# Altium PCB k210.PcbDoc (part 2 of 2)
Units mil, origin at the board's own origin, x right, y up, seen from the top; angles counter-clockwise.
Board outline 2559.06 x 1453.3 mil, 4 copper layers (TOP1, GND2, PWR3, Bottom 4), stack 23.756 mil thick; 94 components, 79 nets, 466 pads, 294 vias.
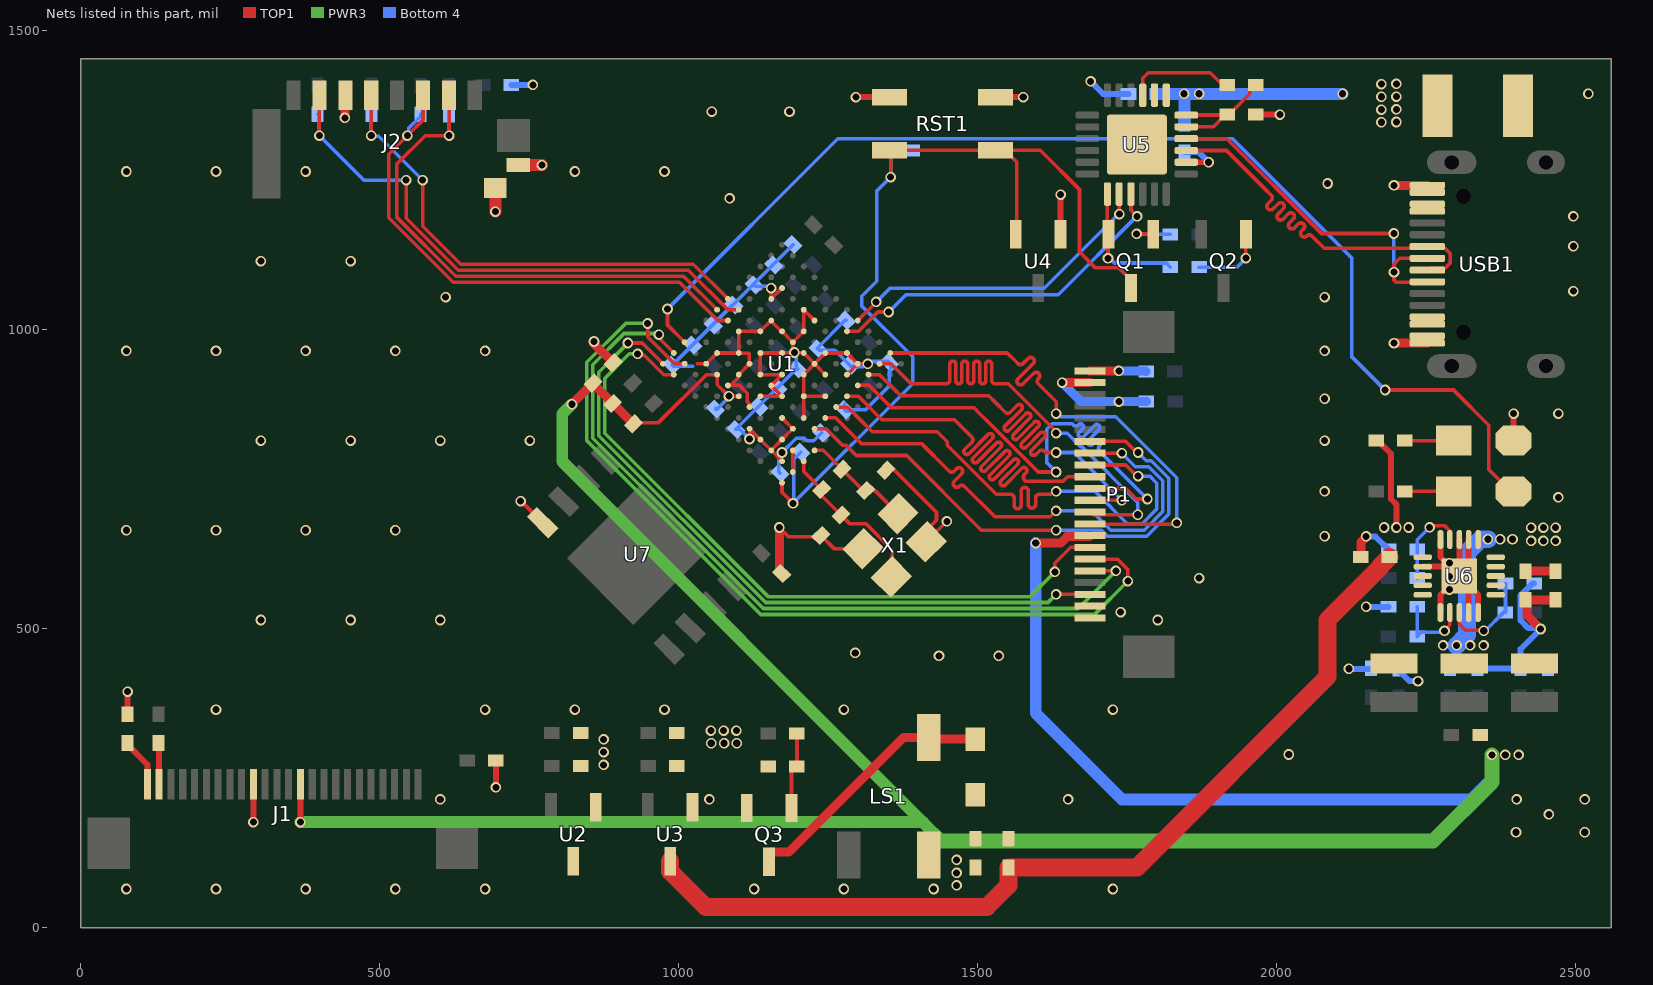
[diagram p4: the nets of this part, all layers, seen from the top]

## Via types
v1: diameter 17.72, hole 11.81, TOP1 to Bottom 4, tented both sides, 294 vias

## Nets (pads, with @x,y where several pads share a name; then routed paths per layer and width w, separated by ;. In a path a pad name is that pad's centre, name@x,y a point inside that pad or via, vN(x,y) a via of type N, cw(c..) or ccw(c..) an arc to the next point about the centre after c; other vN are vias at no path point) (continued)
GND: C1.1 C2.1 C3.1 C4.1 C5.2 C6.2 C7.1 C8.1 C9.2 C10.2 C11.2 C12.1 C13.2 C14.1 C15.1 C16.1 C17.1 C18.1 C19.2 C20.1 C21.1 C22.2 C23.2 C24.1 C25.1 C26.1 C27.2 C28.2 C29.1 C30.1 C31.2 C32.2 C33.2 C34.2 C35.2 C36.2 C37.2 C38.2 C39.2 C40.1 C41.2 C42.2 J1.10 J2.6 J2.9 J2.10 LED2.2 P1.2 P1.21 P1.22 Q3.2 R1.2 R8.1 R21.2 R24.1 R25.2 R27.2 RST1.1 U1.C3 U1.C4 U1.C6 U1.C9 U1.C10 U1.D5 U1.D7 U1.D8 U1.E3 U1.E4 U1.E5 U1.E6 U1.E8 U1.E10 U1.F5 U1.F7 U1.F8 U1.F9 U1.F10 U1.G3 U1.G4 U1.G5 U1.G6 U1.G8 U1.H2 U1.H5 U1.H7 U1.H8 U1.H9 U1.J2 U1.J4 U1.J6 U1.J8 U1.J10 U1.K2 U1.K3 U1.K4 U1.K5 U1.K7 U1.K9 U1.K10 U1.L2 U2.1 U3.1 U4.1 U5.2 U5.25 U6.1 U6.4 U6.5 U6.12 U6.13 U6.15 U6.17 U6.21 U7.4 USB1.A1 USB1.A12 USB1.B1 USB1.B12 X1.2 X1.4 | length 4913.6
  TOP1 w6: v1(735.25,713.86) 736.02,713.86 U7.4@772.13,677.75 ; 1030.94,943.39 U1.C3@1045.89,943.39 U1.C4@1063.99,961.48 U1.D5@1100.18,961.48 ; U1.E3@1082.08,907.2 1101.41,907.2 1114.45,894.16 1114.45,880.02 1117.54,876.93 1117.54,871.74 U1.G3@1118.27,871 ; 1087.44,907.93 1099.44,919.93 1099.44,924.56 U1.E4@1100.18,925.29 U1.E5@1118.27,943.39 1117.74,943.92 1117.74,960.32 1117.2,960.86 1100.8,960.86 U1.D5@1100.18,961.48 ; v1@1118.27,820 U1.H2@1118.27,834.81 U1.J2@1136.37,816.72 U1.K2@1154.46,798.62 ; U1.G4@1136.37,889.1 U1.H5@1172.56,889.1 U1.G5@1154.46,907.2 U1.G6@1172.56,925.29 U1.F5@1136.37,925.29 U1.E6@1136.37,961.48 U1.F7@1172.56,961.48 1172.97,961.89 v1@1192.74,961.89 ; v1(1154.46,1070) U1.C9@1154.46,1051.96 U1.C10@1172.56,1070.05 ; v1(1168.02,669.63) 1183.33,654.31 1235.26,654.31 C11.2@1237.38,656.44 1259.38,634.43 1276.1,634.43 1277.5,633.04 1306.66,633.04 X1.2@1308.05,634.43 ; U1.L2@1172.56,780.53 U1.K2@1154.46,798.62 ; U1.J4@1172.56,852.91 U1.K4@1190.65,834.81 U1.K3@1172.56,816.72 U1.K2@1154.46,798.62 ; v1@1190.65,964.79 U1.F8@1190.65,979.58 ; v1(1193.15,962.29) 1193.56,961.89 1208.34,961.89 U1.G8@1208.75,961.48 U1.H8@1226.84,943.39 ; U1.K5@1208.75,852.91 U1.J6@1208.75,889.1 ; U1.F10@1226.94,1015.86 U1.F10@1226.84,1015.77 U1.E10@1208.75,1033.86 U1.F9@1208.75,997.67 U1.F8@1190.65,979.58 ; U1.K7@1244.94,889.1 U1.J6@1208.75,889.1 ; U1.J8@1244.94,925.29 U1.H8@1226.84,943.39 ; U1.K9@1281.13,925.29 U1.K10@1299.23,943.39 ; v1(1315.94,943.39) U1.K10@1299.23,943.39 ; C13.2@1346.32,765.38 1348.44,767.5 1358.34,767.5 1360.78,765.07 1360.88,765.07 1430.94,695 1430.94,681.51 1413.84,664.41 X1.4@1413.84,645.57 v1(1448.27,680) ; U1.D5@1100.18,961.48 U1.C6@1100.18,997.67 U1.D7@1136.37,997.67 U1.D8@1154.46,1015.77 1154.46,1014.45 1171.25,997.67 U1.E8@1172.56,997.67 U1.F8@1190.65,979.58 ; U1.J6@1208.75,889.1 U1.H7@1208.75,925.29 U1.H8@1226.84,943.39 ; U1.H8@1226.84,943.39 U1.H9@1244.94,961.48 U1.J10@1281.13,961.48 U1.K10@1299.23,943.39
  TOP1 w10: R1.2@78.02,357.24 v1(78.02,395) ; v1(288.28,176.98) 288.28,239.85 J1.10@288.43,240 ; v1(694,235) R8.1@694,280 ; v1(1295.94,1389.29) RST1.1@1352.36,1389.29 ; RST1.1@1529.53,1389.29 v1(1575.94,1389.29) ; U4.1@1638.35,1180 v1(1638.35,1226.42) ; U5.2@1848.62,1280.47 v1(1885.94,1280.47) ; C6.2@1964.94,1360 v1(2005,1360) ; U6.17@2244.17,604.27 U6.21@2289.45,604.27 ; USB1.A1@2251.73,978.11 USB1.B12@2251.73,989.92 ; USB1.B1@2251.73,1230.08 USB1.A12@2251.73,1241.89 ; U6.1@2273.7,527.5 2273.7,557.03 U6.21@2305.2,588.52 ; U6.15@2273.7,649.55 2273.7,620.02 U6.21@2289.45,604.27 ; U6.13@2305.2,649.55 U6.21@2305.2,588.52 ; U6.4@2320.94,527.5 U6.21@2320.94,572.78 ; U6.12@2320.94,649.55 2320.94,604.27 U6.21@2305.2,588.52 ; U6.5@2336.69,527.5 2336.69,557.03 U6.21@2320.94,572.78 ; LED2.2@2395.94,815 v1(2395.94,860) ; U6.21@2289.45,604.27 U6.21@2305.2,588.52 ; U6.21@2305.2,588.52 U6.21@2320.94,572.78
  TOP1 w15: v1(441.44,1354.77) J2.6@441.44,1392.53 ; v1(858.07,980.75) 858.07,977.07 C5.2@890.17,944.97 ; v1(1168.02,669.63) 1168.02,596.72 C40.1@1171.98,592.75 ; v1(1640.94,912.01) P1.2@1687.64,912.01 ; C23.2@2137.49,620.57 C23.2@2140.49,620.57 2140.49,644.9 2149.53,653.94 v1(2149.53,654.67) ; v1(2195.94,978.11) USB1.A1@2251.73,978.11 ; v1(2195.94,1241.89) USB1.A12@2251.73,1241.89 ; v1(2441.28,499.89) 2418.44,522.72 2418.44,546 C22.2@2415.94,548.5 C19.2@2465.94,548.5
  TOP1 w20: v1(693.18,1197.87) J2.9@693.18,1237.24 ; J2.10@731.57,1275.63 v1(770.94,1275.63)
  Bottom 4 w6: 1023.58,939.19 990.79,939.19 C38.2@988.67,941.31 989.45,941.31 C14.1@1190.87,1142.73 ; v1(1118.08,817.58) 1101.93,833.73 C24.1@1095.41,833.73 C33.2@1197.49,935.81 ; C35.2@1126.16,1075.17 1128.28,1073.05 1148.24,1073.05 1151.29,1070 v1(1154.46,1070) ; 1167,786.27 1167,762.73 C27.2@1169.12,760.6 ; v1(1172.56,795) 1196.46,818.9 1209.97,818.9 1214.39,814.48 1225.34,814.48 C42.2@1238.78,827.91 ; v1@1196.5,955.77 1196.5,936.8 C33.2@1197.49,935.81 ; C33.2@1198.62,934.68 C33.2@1197.49,935.81 ; C37.2@1231.31,969.63 1277.74,1016.06 C15.1@1279.89,1016.06 ; C37.2@1232.92,968.03 1235.04,965.91 1260.98,965.91 C28.2@1285.88,941.02 1288,938.89 1308.28,938.89 ; C41.2@1277.52,876.52 C41.2@1277.52,866.62 1279.64,864.5 1289.54,864.5 1291.66,866.62 1312.24,866.62 1352.17,906.56 1352.17,931.03 1354.29,933.15 1354.29,943.05 C17.1@1352.17,945.17 1350.05,947.29 v1@1323.02,947.29
  Bottom 4 w10: C10.2@719.95,1410 v1(755.94,1410) ; v1(1688.71,1415.64) 1709.34,1395 C7.1@1751.94,1395 ; C8.1@1845.88,1297.27 1869.15,1297.27 v1(1885.94,1280.47) ; v1(2120.48,433.39) 2155.85,433.39 C29.1@2156.26,432.99 ; v1(2149.31,537.07) 2184.8,537.07 2185.05,536.82 2185.85,537.62 2186.62,536.85 R27.2@2186.83,537.07 ; v1(2149.53,654.67) 2164.77,654.67 R21.2@2186.94,632.5 ; C30.1@2203.86,433.85 2203.86,430.85 2221.99,412.72 v1(2236.19,412.72) ; C21.1@2289.91,434.02 2290,434.11 C25.1@2407.86,434.11 ; C25.1@2407.86,433.89 C25.1@2407.86,434.11 ; R25.2@2430.44,575.7 2427.44,575.7 2407.86,556.12 2407.86,514.13 2420.63,501.37 2439.8,501.37 v1(2441.28,499.89) 2407.86,466.47 C25.1@2407.86,434.11 ; C26.1@2453.68,434.21 2453.59,434.11 C25.1@2407.86,434.11
  Bottom 4 w15: v1(1640.94,912.01) 1672.95,880 v1(1735.94,880) C12.1@1781.94,880
  other v1: 75.94,65 225.94,65 375.94,65 525.94,65 675.94,65 1125.94,65 1275.94,65 1425.94,65 1725.94,65 1464.57,71.03 1464.57,92.15 1464.57,113.67 2400,160 2515,160 2455,190 600.94,215 1050.94,215 1650.94,215 2400.94,215 2515,215 874.28,272.78 2020,290 874.28,293.9 1054.14,308.79 1075.66,308.79 1096.78,308.79 874.28,315.42 1053.48,330 1075,330 1096.12,330 225.94,365 675.94,365 825.94,365 975.94,365 1275.94,365 1725.94,365 1435,455 1535,455 1295,460 300.94,515 450.94,515 600.94,515 1800.94,515 1738.7,528.01 2288.49,565.71 1870,585 2288.49,587.84 2288.49,609.96 2080,655 75.94,665 225.94,665 375.94,665 525.94,665 2470.94,720 2080,730 300.94,815 450.94,815 600.94,815 750.94,815 2080,815 2470.94,860 2080,885 75.94,965 225.94,965 375.94,965 525.94,965 675.94,965 2080,965 610,1055 2080,1055 2495.94,1065 300.94,1115 450.94,1115 2495.94,1140 2495.94,1190 1085,1220 2085,1245 75.94,1265 225.94,1265 375.94,1265 825.94,1265 975.94,1265 1055,1365 1185,1365 2520.94,1395
ISP_RX: U1.H11 U5.21 | length 606.5
  TOP1 w6: U1.H11@1281.13,997.67 1300.39,997.67 1332.72,1030 v1(1350.94,1030) ; U5.21@1756.1,1227.32 1756.1,1200.1 v1(1766.36,1189.85)
  Bottom 4 w6: v1(1350.94,1030) 1379.83,1058.88 1634.51,1058.88 1765.48,1189.85 v1(1766.36,1189.85)
ISP_TX: U1.H12 U5.20 | length 544.1
  TOP1 w6: U1.H12@1299.23,1015.77 1329.94,1046.49 v1(1329.94,1046.86) ; v1@1736.42,1195 U5.20@1736.42,1227.32
  Bottom 4 w6: v1(1329.94,1046.86) 1353.09,1070 1611.07,1070 v1@1736.42,1195.35
  other v1: 1736.59,1193.81
LCD_CS: P1.18 U1.A2 | length 1359.1
  TOP1 w6: v1(966.59,992.05) 966.59,987.15 991.61,962.13 U1.A2@991.61,961.48 ; P1.18@1687.64,597.05 v1(1730.94,597.05)
  PWR3 w6: v1(966.59,992.05) 964.6,994.03 908.23,994.03 855.94,941.75 855.94,819.14 1140.95,534.14 1668.04,534.14 v1(1730.94,597.05)
LCD_DC: P1.17 U1.B2 | length 1501.3
  TOP1 w6: v1(947.87,1010.88) 947.87,988.34 992.82,943.39 U1.B2@1009.7,943.39 ; P1.17@1687.64,616.73 1733.69,616.73 1750.94,599.47 v1(1750.94,580)
  PWR3 w6: v1(947.87,1010.88) 910.94,1010.88 845.94,945.89 845.94,815 1136.8,524.14 1695.09,524.14 v1(1750.94,580)
LCD_RST: P1.20 U1.A1 | length 1191.2
  TOP1 w6: v1(914.8,978.17) 938.72,978.17 U1.A1@973.51,943.39 ; v1(1630.94,557.68) P1.20@1687.64,557.68
  PWR3 w6: v1(914.8,978.17) 865.94,929.32 865.94,823.28 1145.09,544.14 1617.41,544.14 v1(1630.94,557.68)
LCD_WR: P1.16 U1.B1 | length 1206
  TOP1 w6: v1(930.94,960) 933.03,957.92 942.12,957.92 974.75,925.29 U1.B1@991.61,925.29 ; v1(1628.79,595.31) 1628.79,609.99 1655.22,636.42 P1.16@1687.64,636.42
  PWR3 w6: v1(930.94,960) 917.19,960 875.94,918.75 875.94,827.43 1149.23,554.14 1587.62,554.14 v1(1628.79,595.31)
LED0: LED1.2 U1.A3 | length 1985
  TOP1 w6: v1(980.94,1035) 980.94,1008.33 U1.A3@1009.7,979.58 ; v1(2181.07,899.54) 2295.46,899.54 2354.27,840.73 2354.27,766.68 2390.94,730 LED1.2@2395.94,730
  Bottom 4 w6: v1(980.94,1035) 1265.94,1320 1925.94,1320 2125,1120.94 2125,955.61 v1(2181.07,899.54)
NetC6_1: C6.1 R5.2 U5.5 U5.6 | length 213.7
  TOP1 w6: U5.5@1848.62,1339.53 1893.47,1339.53 C6.1@1913.94,1360 ; U5.6@1848.62,1359.53 1911.47,1359.53 1911.94,1360 C6.1@1913.94,1360 ; C6.1@1914.94,1360 C6.1@1913.94,1360 ; C6.1@1916.94,1360 1919.94,1360 1954.94,1395 1954.94,1403 1961.94,1410 R5.2@1964.94,1410
NetC11_1: C11.1 R13.2 U1.M3 X1.3 | length 271.2
  TOP1 w6: U1.M3@1208.75,780.53 1208.75,763.25 R13.2@1238.97,733.03 1238.77,732.83 1238.77,722.93 C11.1@1271.32,690.38 1285.47,676.23 1312.34,676.23 1356.77,631.8 1356.77,588.5 X1.3@1355.38,587.11
NetC13_1: C13.1 R13.1 U1.M4 X1.1 | length 185.2
  TOP1 w6: U1.M4@1226.84,798.62 1241.26,798.62 R13.1@1272.92,766.97 1308.45,731.44 C13.1@1312.38,731.44 1314.5,733.56 1324.4,733.56 1326.52,731.44 1327.97,731.44 X1.1@1366.51,692.89
NetC18_2: C18.2 D1.2 LS1.1 R19.2
NetD1_1: D1.1 LS1.2 Q3.3 | length 440.3
  TOP1 w15: Q3.3@1150.94,110.59 1150.94,124.37 1153.29,126.71 1183.64,126.71 1375.34,318.42 LS1.2@1417.87,318.42 1420.7,315.59 D1.1@1495.94,315.59
NetJ1_23: J1.2 R2.1 | length 69.7
  TOP1 w6: R2.1@129.83,309.24 R2.1@130.94,308.12
  TOP1 w10: J1.2@130.94,240 R2.1@130.94,308.12
NetJ1_24: J1.1 R1.1 | length 83
  TOP1 w10: R1.1@78.02,309.24 78.02,306.24 111.26,273 J1.1@111.26,240
NetL1_1: L1.1 U6.11 | length 206.5
  Bottom 4 w30: v1(2300.85,472.5) 2318.19,489.84 2318.19,627.62 2340.58,650.02 v1(2353.12,650.02)
  other v1: 2278.3,472.5 2323.4,472.5 2345.94,472.5 2373.63,650.02 2394.13,650.02
NetL2_1: L2.1 U6.6
NetL3_1: L3.1 U6.20
NetLED1_1: LED1.1 R3.2 | length 82
  TOP1 w6: R3.2@2213.94,730 LED1.1@2295.94,730
NetLED2_1: LED2.1 R9.2 | length 82
  TOP1 w6: R9.2@2213.94,815 LED2.1@2295.94,815
NetP1_1: P1.1 R18.2 | length 94.4
  TOP1 w15: P1.1@1687.64,931.69 v1(1735.94,931.69)
  Bottom 4 w15: v1(1735.94,931.69) 1736.46,931.17 1780.85,931.17 R18.2@1781.57,930.45
NetQ1_1: Q1.1 R11.2 | length 84.1
  TOP1 w6: v1(1765.6,1160.82) 1792.53,1160.82 Q1.1@1793.35,1160
  Bottom 4 w6: v1@1765.94,1160 R11.2@1821.94,1160
NetQ2_1: Q2.1 R12.2 | length 124.6
  TOP1 w6: v1(1948.35,1120) Q2.1@1948.35,1160
  Bottom 4 w6: R12.2@1869.94,1105 1933.35,1105 v1(1948.35,1120)
NetQ3_1: Q3.1 R22.2 R24.2 | length 129.5
  TOP1 w6: Q3.1@1188.35,200.59 1188.35,263 1195.35,270 R24.2@1197.54,270 R22.2@1197.54,325
NetR5_1: R5.1 U5.9 | length 176.4
  TOP1 w6: U5.9@1775.79,1392.68 1775.79,1420.79 1785,1430 1888.94,1430 1908.94,1410 R5.1@1911.94,1410
NetR20_1: R20.1 R21.1 U6.14 | length 146.2
  TOP1 w6: v1(2255.59,669.92) 2258.76,669.92 2261.13,672.3 2281.15,672.3 2288.33,665.12 2288.33,650.67 U6.14@2289.45,649.55
  Bottom 4 w6: R20.1@2234.85,585.05 2234.85,632.4 R21.1@2234.94,632.5 2234.94,649.28 v1(2255.59,669.92)
NetR23_1: R23.1 R25.1 U6.3 | length 158.6
  TOP1 w6: U6.3@2305.2,527.5 2305.2,508.25 2315.95,497.5 2345.5,497.5 v1(2346.04,496.96)
  Bottom 4 w6: v1(2346.04,496.96) 2348.68,496.96 R23.1@2379.22,527.5 ; R23.1@2382.44,527.72 R25.1@2382.44,575.7
NetR26_1: R26.1 R27.1 U6.2 | length 134.2
  TOP1 w6: v1(2280.47,496.84) 2280.47,497.02 2289.45,506 U6.2@2289.45,527.5
  Bottom 4 w6: R27.1@2234.83,537.07 2234.58,536.81 R26.1@2234.58,487.21 2241.58,494.21 2274.67,494.21 2277.3,496.84 v1(2280.47,496.84)
NetU1_L3: U1.L3 U1.M2 | length 36.2
  TOP1 w6: U1.M2@1190.65,762.43 U1.L3@1190.65,798.62
RESETN: C9.1 Q1.3 R10.1 RST1.2 U1.M1 U4.2 | length 1624.8
  TOP1 w6: U1.M1@1172.56,744.34 1172.56,728.39 v1(1190.94,710) ; v1(1354.09,1255.57) 1354.09,1298.98 RST1.2@1352.36,1300.71 RST1.2@1529.53,1300.71 RST1.2@1545.28,1300.71 ; U4.2@1563.54,1160 1565,1161.46 1565,1280.98 RST1.2@1545.28,1300.71 ; Q1.3@1755.94,1070 1755.94,1083.78 1735.97,1103.76 1696.86,1103.76 1670,1130.62 1670,1235 1604.29,1300.71 RST1.2@1545.28,1300.71
  Bottom 4 w6: v1(1190.94,710) v1@1192.38,711.43 ; R10.1@1204.04,795.64 1192.38,783.98 v1@1192.38,711.43 ; C9.1@1343.89,1298.06 1354.09,1287.85 v1(1354.09,1255.57) 1330.94,1232.42 1330.94,1081.41 1306.09,1056.55 1306.09,1040.14 1390.93,955.31 1390.93,909.98 v1@1192.38,711.43
RTS: Q1.2 R12.1 U5.19 | length 218.4
  TOP1 w6: U5.19@1716.73,1227.32 1716.73,1160.07 1717.67,1159.13 v1(1717.67,1119.62)
  Bottom 4 w6: v1(1717.67,1119.62) 1720.84,1119.62 1728.46,1112 1814.94,1112 R12.1@1821.94,1105
SPI0_D0: P1.14 U1.L12 | length 900.3
  TOP1 w6: U1.L12@1353.51,961.48 1549.46,961.48 1565.04,945.91 1567.16,943.78 ccw(c1571.4,948.03) 1575.65,943.78 1584.13,952.27 cw(c1588.37,948.03) 1592.62,952.27 cw(c1588.37,948.03) 1592.62,943.78 1567.16,918.33 ccw(c1571.4,914.09) 1567.16,909.84 ccw(c1571.4,914.09) 1575.65,909.84 1593.26,927.46 cw(c1597.5,923.22) 1601.75,918.97 1601.1,918.33 ccw(c1605.34,914.09) 1601.1,909.84 1630.94,880 v1(1630.94,860) ; P1.14@1687.64,675.79 1688.28,675.15 1830.57,675.15 v1(1832.7,677.28)
  Bottom 4 w6: v1(1630.94,860) 1634.12,860 1639.12,855 1730.49,855 1832.7,752.79 v1(1832.7,677.28)
SPI0_D1: P1.13 U1.L11 | length 900.2
  TOP1 w6: U1.L11@1335.42,943.39 1354.75,943.39 1388.13,910 1424.19,910 1447.19,910 ccw(c1447.19,916) 1453.19,916 1453.19,943 cw(c1458.19,943) 1463.19,943 1463.19,915 ccw(c1468.19,915) 1473.19,915 1473.19,943 cw(c1478.19,943) 1483.19,943 1483.19,915 ccw(c1488.19,915) 1493.19,915 1493.19,943 cw(c1498.19,943) 1503.19,943 1503.19,915 ccw(c1508.19,915) 1513.19,915 1513.19,943 cw(c1518.19,943) 1523.19,943 1523.19,916 ccw(c1529.19,916) 1529.19,910 1549.69,910 1550.94,910 1630.94,830 v1(1630.94,827.5) ; P1.13@1687.64,695.47 1692.1,691.01 v1(1767.43,691.01)
  Bottom 4 w6: v1(1630.94,827.5) 1649.3,827.5 1671.8,805 1673.53,805 1767.43,711.1 v1(1767.43,691.01)
SPI0_D2: P1.12 U1.L10 | length 899.4
  TOP1 w6: U1.L10@1317.32,925.29 1335.65,925.29 1359.81,901.14 1370.94,890 1518.37,890 1529.66,878.71 1545.92,862.45 ccw(c1550.16,866.69) 1554.41,862.45 1565.84,873.89 cw(c1569.38,870.35) 1572.92,873.89 cw(c1569.38,870.35) 1572.92,866.82 1545.42,839.32 ccw(c1548.95,835.78) 1545.42,832.24 ccw(c1548.95,835.78) 1552.49,832.24 1579.99,859.74 cw(c1583.52,856.21) 1587.06,852.67 1559.56,825.17 ccw(c1563.09,821.64) 1559.56,818.1 ccw(c1563.09,821.64) 1566.63,818.1 1594.13,845.6 cw(c1597.66,842.07) 1601.2,845.6 cw(c1597.66,842.07) 1601.2,838.53 1573.7,811.03 ccw(c1577.24,807.5) 1580.77,803.96 1604.48,827.67 cw(c1608.02,824.13) 1611.55,827.67 cw(c1608.02,824.13) 1611.55,820.6 1589.79,798.84 ccw(c1593.33,795.3) 1589.79,791.77 ccw(c1593.33,795.3) 1596.86,791.77 1602.49,797.4 cw(c1606.73,793.15) 1610.98,797.4 1613.37,795 v1(1630.94,795) ; P1.12@1687.64,715.16 v1(1740.94,715.16)
  Bottom 4 w6: v1(1630.94,795) 1661.1,795 v1(1740.94,715.16)
SPI0_D3: P1.11 U1.L9 | length 899.4
  TOP1 w6: U1.L9@1299.23,907.2 1318.56,907.2 1344.01,881.74 1355.75,870 1493.52,870 1505.09,858.43 1514.38,849.14 1601.02,762.5 v1(1630.94,762.5) ; P1.11@1687.64,734.84 1747.36,734.84 1764.97,717.24 v1(1783.6,717.24)
  Bottom 4 w6: v1(1630.94,762.5) 1615.09,778.36 1615.09,834.07 1624.38,843.36 1657.48,843.36 1659.6,841.24 ccw(c1663.84,845.48) 1668.08,841.24 1668.31,841.46 cw(c1671.85,837.93) 1675.38,841.46 cw(c1671.85,837.93) 1675.38,834.39 1669.5,828.51 ccw(c1673.04,824.98) 1676.57,821.44 1695.56,840.42 cw(c1699.09,836.89) 1702.63,840.42 cw(c1699.09,836.89) 1702.63,833.35 1685.05,815.78 ccw(c1688.59,812.24) 1685.05,808.71 ccw(c1688.59,812.24) 1692.12,808.71 1696.37,812.95 cw(c1699.9,809.42) 1703.44,805.88 ccw(c1707.68,801.64) 1703.44,797.4 1726.62,774.21 v1(1783.6,717.24)
SPI0_D4: P1.10 U1.L8 | length 944.1
  TOP1 w6: U1.L8@1281.13,889.1 1300.46,889.1 1339.56,850 1460.94,850 1480.94,830 1490.14,820.81 cw(c1485.9,816.56) 1490.14,812.32 1478.12,800.3 ccw(c1481.65,796.77) 1485.19,793.23 1517.13,825.17 cw(c1520.67,821.64) 1524.2,825.17 cw(c1520.67,821.64) 1524.2,818.1 1492.26,786.16 ccw(c1495.79,782.62) 1492.26,779.09 ccw(c1495.79,782.62) 1499.33,779.09 1531.27,811.03 cw(c1534.81,807.5) 1538.34,803.96 1506.4,772.02 ccw(c1509.94,768.48) 1506.4,764.95 ccw(c1509.94,768.48) 1513.47,764.95 1545.42,796.89 cw(c1548.95,793.35) 1552.49,796.89 cw(c1548.95,793.35) 1552.49,789.82 1520.54,757.87 ccw(c1524.08,754.34) 1527.61,750.8 1559.56,782.75 cw(c1563.09,779.21) 1566.63,782.75 cw(c1563.09,779.21) 1566.63,775.68 1538.82,747.87 ccw(c1542.36,744.34) 1538.82,740.8 ccw(c1542.36,744.34) 1545.9,740.8 1573.7,768.6 cw(c1577.24,765.07) 1580.77,761.53 1578.9,759.66 ccw(c1584.93,753.62) 1580.02,746.64 1603.34,746.64 1607.59,746.64 1642.18,746.64 1650.07,754.53 P1.10@1687.64,754.53
SPI0_D5: P1.9 U1.L7 | length 900
  TOP1 w6: U1.L7@1263.04,871 1282.37,871 1302.16,851.21 1323.37,830 1432.04,830 1449,813.05 1449,806.95 1530.94,725 1539.58,725 1554.58,725 cw(c1554.58,719) 1560.58,719 1560.58,707 ccw(c1566.58,707) 1572.58,707 1572.58,730.64 cw(c1578.58,730.64) 1584.58,730.64 1584.58,707.98 ccw(c1590.58,707.98) 1596.58,707.98 1596.58,719 cw(c1602.58,719) 1602.58,725 1622.77,725 1627.77,730 v1(1630.94,730) ; P1.9@1687.64,774.21 1747.36,774.21 1765.94,755.64 v1(1768.05,755.64)
  Bottom 4 w6: v1(1630.94,730) 1695.94,730 1750.8,675.15 1774,675.15 1799.46,700.6 1799.46,743.61 1787.43,755.64 v1(1768.05,755.64)
SPI0_D6: P1.8 U1.L6 | length 899.4
  TOP1 w6: U1.L6@1244.94,852.91 1262.25,852.91 1305.16,810 1405.94,810 1449.87,766.07 1451.99,763.95 ccw(c1456.23,768.2) 1460.48,763.95 1464.37,767.84 cw(c1468.61,763.6) 1472.85,767.84 cw(c1468.61,763.6) 1472.85,759.36 1460.48,746.98 ccw(c1464.72,742.74) 1460.48,738.5 ccw(c1464.72,742.74) 1468.96,738.5 cw(c1473.21,734.25) 1477.45,738.5 1527.2,688.74 1528.51,687.43 1620.88,687.43 v1(1630.94,697.5) ; P1.8@1687.64,793.9 v1(1740.94,793.9)
  Bottom 4 w6: v1(1630.94,697.5) 1689.95,697.5 1722.31,665.15 1778.14,665.15 1809.46,696.46 1809.46,747.75 1785.71,771.5 1763.35,771.5 v1(1740.94,793.9)
SPI0_D7: P1.7 U1.L5 | length 899.4
  TOP1 w6: U1.L5@1226.84,834.81 1246.18,834.81 1273.48,807.51 1279.37,807.51 1296.88,790 1380.94,790 1505.94,665 v1(1630.94,665) ; P1.7@1687.64,813.58 1747.36,813.58 1765.94,795.01 v1(1768.05,795.01)
  Bottom 4 w6: v1(1630.94,665) 1707,665 1716.85,655.15 1782.29,655.15 1819.46,692.32 1819.46,751.9 1789.86,781.5 1781.56,781.5 v1(1768.05,795.01)
TF_CLK: J2.5 R16.2 U1.A7 | length 858.7
  TOP1 w6: v1(485.51,1325) J2.5@485.51,1392.75 ; v1(571.43,1250.55) 571.43,1173.57 635,1110 1024.04,1110 U1.A7@1082.08,1051.96
  Bottom 4 w6: R16.2@485.94,1361 485.51,1360.57 v1(485.51,1325) 486.41,1324.11 497.88,1324.11 534.21,1287.77 v1(571.43,1250.55)
TF_CS: J2.2 R14.2 U1.A6 | length 899.3
  TOP1 w6: J2.2@615.43,1392.75 615.94,1392.24 v1(615.94,1325) 575.94,1325 527.9,1276.95 527.9,1188.82 626.72,1090 1007.85,1090 U1.A6@1063.99,1033.86
  Bottom 4 w6: v1(615.94,1325) R14.2@615.94,1360
TF_MISO: J2.7 R17.2 U1.B7 | length 964.1
  TOP1 w6: v1(398.89,1325) J2.7@398.89,1392.75 ; v1(543.9,1250.55) 543.9,1186.95 630.86,1100 1015.94,1100 1082.08,1033.86 U1.B7@1100.18,1033.86
  Bottom 4 w6: R17.2@395.94,1361 398.89,1358.05 v1(398.89,1325) 473.35,1250.55 v1(543.9,1250.55)
TF_MOSI: J2.3 R15.2 U1.B6 | length 911.9
  TOP1 w6: J2.3@572.12,1392.75 572.12,1351.18 v1(545.94,1325) 515,1294.06 515,1187.57 622.57,1080 1000.94,1080 1065.18,1015.77 U1.B6@1082.08,1015.77
  Bottom 4 w6: v1(545.94,1325) 548.19,1327.24 548.19,1337.69 568.1,1357.59 R15.2@568.1,1360.59
USB-PWR-DM: U5.4 USB1.A7 USB1.B7 | length 621.3
  TOP1 w6: U5.4@1848.62,1319.84 1916.1,1319.84 2074.62,1161.33 v1(2195.86,1161.33) ; USB1.B7@2251.73,1080.47 2251.26,1080 2199.46,1080 2195.94,1083.51 v1(2195.94,1096.76) 2195.94,1110 2205.79,1119.84 USB1.A7@2251.73,1119.84
  Bottom 4 w6: v1(2195.86,1161.33) 2195.9,1161.28 v1(2195.94,1096.76) v1(2195.94,1096.76)
USB-PWR-DP: U5.3 USB1.A6 USB1.B6 | length 691.1
  TOP1 w6: U5.3@1848.62,1300.16 1915.79,1300.16 1980.17,1235.78 1990.77,1225.17 cw(c1986.53,1220.93) 1990.77,1216.69 1985.12,1211.03 ccw(c1989.36,1206.79) 1985.12,1202.54 ccw(c1989.36,1206.79) 1993.6,1202.54 2002.19,1211.13 cw(c2006.43,1206.89) 2010.67,1202.64 2002.09,1194.06 ccw(c2006.33,1189.82) 2002.09,1185.57 ccw(c2006.33,1189.82) 2010.57,1185.57 2019.16,1194.16 cw(c2023.4,1189.92) 2027.64,1194.16 cw(c2023.4,1189.92) 2027.64,1185.67 2021.16,1179.19 ccw(c2025.4,1174.95) 2021.16,1170.7 ccw(c2025.4,1174.95) 2029.64,1170.7 2036.13,1177.19 cw(c2040.37,1172.95) 2044.61,1177.19 cw(c2040.37,1172.95) 2044.62,1168.7 2041.69,1165.77 ccw(c2045.93,1161.53) 2050.17,1157.29 cw(c2054.41,1153.05) 2058.66,1157.29 2079.32,1136.62 2108.87,1136.62 USB1.B6@2251.73,1136.62 ; USB1.B6@2251.73,1139.53 2254.64,1136.62 2281.38,1136.62 2290.26,1127.75 2290.26,1111.94 2281.38,1103.06 USB1.A6@2254.64,1103.06
VBUS: F1.1 USB1.A4 USB1.A9 USB1.B4 USB1.B9
VCC_BANK: C5.1 C24.2 J1.14 P1.15 R4.2 R6.2 R28.1 U1.D3 U1.F3 | length 4787.6
  TOP1 w6: R4.2@923.97,843.03 926.1,845.15 966.1,845.15 1046.24,925.29 U1.D3@1063.99,925.29 1063.99,908.43 v1@1081.28,891.13 ; v1(1083.69,889.38) 1083.04,889.38 v1@1081.28,891.13 ; U1.F3@1100.18,889.1 1081.28,889.1 v1@1081.28,891.13
  TOP1 w10: v1(367.02,176.98) 367.02,239.85 J1.14@367.17,240
  TOP1 w15: v1(820.94,875.74) C5.1@856.23,911.03 856.23,910.48 888.55,878.15 888.55,877.08 R6.2@889.09,877.08 889.51,877.08 R4.2@923.55,843.03 ; v1(1596.87,643.63) 1638.36,643.63 1649.24,654.51 1686.04,654.51 P1.15@1687.64,656.1
  PWR3 w20: v1(367.02,176.98) 1408.02,176.98 ; v1(820.94,875.74) 805,859.8 805,780 1408.02,176.98 ; 1440,145 1408.02,176.98
  PWR3 w25: 1440,145 2260.94,145 2359.77,243.82 v1(2359.77,289.33)
  Bottom 4 w6: C24.2@1061.47,869.28 C24.2@1061.47,867.67 1064.17,867.67 v1@1085.24,888.74
  Bottom 4 w20: v1(1596.87,643.63) 1596.87,359.07 1740.94,215 2325,215 2359.77,249.77 v1(2359.77,289.33)
  other v1: 2382.06,289.33 2404.35,289.33
VIN: C7.2 C8.2 C19.1 C22.1 C23.1 F1.2 R9.1 R19.1 U2.3 U3.3 U5.7 U5.8 U6.7 U6.8 U6.9 U6.10 U6.16 U6.18 U6.19 | length 2135.8
  TOP1 w10: R9.1@2165.94,815 2168.94,815 2190.94,793 2190.94,717.27 2199.86,708.35 v1(2199.86,669.58)
  TOP1 w15: C22.1@2415.94,596.5 C19.1@2465.94,596.5 C19.1@2465.94,599.5
  TOP1 w30: U3.3@985.55,111.68 985.55,94.45 1045,35 1515,35 1550.94,70.94 R19.1@1550.94,101 1766,101 2085,420 2085,515.22 2172.49,602.7 2172.49,604.57 C23.1@2188.49,620.57
  Bottom 4 w20: C7.2@1799.94,1395 v1(1845,1395) v1@1845.88,1395 ; C8.2@1845.88,1345.27 v1@1845.88,1395 ; v1(2110,1395) v1(1870,1395) v1@1845.88,1395
  other v1: 2425.34,647.4 2445.85,647.4 2466.35,647.4 2425.29,669.37 2445.79,669.37 2466.29,669.37 2179.36,669.58 2220.36,669.58 2175,1347.36 2199.88,1347.71 2175,1368.48 2199.88,1368.83 2175,1390 2199.88,1390.35 2175,1411.12 2199.88,1411.47
pads on no net: J1.0 J1.24 J2.1 J2.8 J2.G1 J2.G2 LS1.3 P1.0 P1.3 P1.4 P1.5 P1.19 U1.A4 U1.A5 U1.A8 U1.A9 U1.A10 U1.A11 U1.A12 U1.B3 U1.B4 U1.B5 U1.B8 U1.B9 U1.B10 U1.B11 U1.C11 U1.C12 U1.D11 U1.D12 U1.E11 U1.E12 U1.F11 U1.G11 U1.G12 U1.J11 U1.J12 U1.K11 U1.K12 U5.1 U5.10 U5.11 U5.12 U5.13 U5.14 U5.15 U5.16 U5.17 U5.18 U5.22 U5.24 U7.9 USB1.0 USB1.1 USB1.2 USB1.3 USB1.4 USB1.A5 USB1.A8 USB1.B5 USB1.B8

## Polygon pours and split planes (outlines as drawn)
GND on TOP1 "GND_L01_P097" (solid, remove dead copper, pour order 97): 0,1450 2559.06,1450 2559.06,0 0,0
VBUS on TOP1 "VBUS_L01_P039" (solid, remove dead copper, pour order 39): 2475.94,1440 2475.94,1325 2460.94,1310 2405.94,1310 2405.94,1025 2380.94,1000 2220.94,1000 2220.94,1220 2335.94,1220 2335.94,1425 2350.94,1440
VIN on TOP1 "VIN_L01_P028" (solid, remove dead copper, pour order 28): 2265.94,566.75 2174.19,566.75 2165.94,575 2165.94,680 2170.94,680 2230.94,680 2230.94,650 2245.94,635 2265.94,635
NetC18_2 on TOP1 "NETC18_2_L01_P051" (solid, remove dead copper, pour order 51): 1380.94,80 1380.94,235 1395.94,250 1570.94,250 1570.94,135 1565.94,130 1445.94,130 1445.94,80
NetL3_1 on TOP1 "NETL3_1_L01_P020" (solid, remove dead copper, pour order 20): 2212.41,566.14 2262.3,566.14 2265.94,557.5 2265.94,552.5 2265.94,497.5 2240.94,472.5 2240.94,417.5 2155.94,417.5 2155.94,472.5 2180.94,497.5 2200.94,497.5 2210.94,507.5 2210.94,557.5
VIN on TOP1 "VIN_L01_P088" (solid, remove dead copper, pour order 88): 1785,1370 1785,1415 1790,1420 1885,1420 1885,1370
GND on TOP1 "GND_L01_P079" (solid, remove dead copper, pour order 79): 980.81,346.44 1118.56,346.44 1130,335 1130,295 1135,290 1165,290 1170,285 1170,175 1165,170 982.13,170 978.09,174.04 978.87,174.82 978.87,342.07
GND on TOP1 "GND_L01_P078" (solid, remove dead copper, pour order 78): 816.39,347.27 872.73,347.27 885,335 885,180 875,170 820,170 815,177.5 815,342.5
DVDD_1V3 on TOP1 "DVDD_1V3_L01_P075" (solid, remove dead copper, pour order 75): 926,347.5 971,347.5 976,342.5 976,177.5 971,172.5 926,172.5 895,203.5 895,316.5
AVDD_2V8 on TOP1 "AVDD_2V8_L01_P074" (solid, remove dead copper, pour order 74): 765,347.5 810,347.5 815,342.5 815,177.5 810,172.5 765,172.5 760,177.5 760,342.5
GND on TOP1 "GND_L01_P052" (solid, remove dead copper, pour order 52): 1510.94,125 1455.94,125 1450.94,120 1450.94,60 1510.94,60
VIN on TOP1 "VIN_L01_P072" (solid, remove dead copper, pour order 72): 760,145 1040,145 1045,140 1045,70 1035,60 1025,60 760,60
VIN on TOP1 "VIN_L01_P029" (solid, remove dead copper, pour order 29): 2485.94,565 2350.94,565 2340.94,575 2340.94,625 2350.94,635 2352.6,633.34 2405.94,633.34 2405.94,680 2485.94,680
GND on TOP1 "GND_L01_P060" (solid, remove dead copper, pour order 60): 1660.94,545 1755.94,545 1755.94,515 1750.94,510 1660.94,510
no net on TOP1 "NONET_L01_P049" (solid, remove dead copper, pour order 49): 1230.94,120
VIN on TOP1 "VIN_L01_P041" (solid, remove dead copper, pour order 41): 2305,1440 2090,1440 2090,1310 2295,1310 2305,1320
no net on TOP1 "NONET_L01_P040" (solid, remove dead copper, pour order 40): 2215.94,1440
0V9 on TOP1 "0V9_L01_P021" (solid, remove dead copper, pour order 21): 2240.94,402.5 2150.94,402.5 2150.94,245 2220.94,245 2220.94,342.5 2240.94,362.5
NetL1_1 on TOP1 "NETL1_1_L01_P006" (solid, remove dead copper, pour order 6): 2265.94,487.5 2355.94,487.5 2365.94,477.5 2365.94,427.5 2355.94,417.5 2265.94,417.5 2255.94,427.5 2255.94,477.5
3V3 on TOP1 "3V3_L01_P018" (solid, remove dead copper, pour order 18): 2380.94,402.5 2515,402.5 2515,245 2440.95,245 2430.95,255 2430.94,345 2383.44,345 2375.94,352.5 2375.94,392.5
1V8 on TOP1 "1V8_L01_P016" (solid, remove dead copper, pour order 16): 2260.94,402.5 2360.94,402.5 2365.94,397.5 2365.94,342.5 2320.94,342.5 2310.95,332.5 2310.94,270 2285.95,245 2230.94,245 2230.94,342.5 2250.94,362.5 2250.94,392.5
NetL2_1 on TOP1 "NETL2_1_L01_P015" (solid, remove dead copper, pour order 15): 2345.94,562.5 2389.95,563.49 2400.94,552.5 2400.94,512.5 2435.94,477.5 2475.94,477.5 2475.94,422.5 2380.94,422.5 2380.94,472.5 2355.94,497.5 2355.94,537.5 2345.94,547.5
GND on Bottom 4 "GND_L04_P098" (solid, remove dead copper, pour order 98): 0,1450 2559.06,1450 2559.06,0 0,0
VIN on Bottom 4 "VIN_L04_P042" (solid, remove dead copper, pour order 42): 2085.94,1440 2355.94,1440 2355.95,815 2480.94,690 2480.94,620 2475.94,615 2470.94,620 2405.94,620 2405.94,662.4 2388.35,680 2230.94,680 2230.94,665 2210.94,645 2180.94,645 2160.95,665 2160.94,1265 2110.94,1265 2085.94,1290
1V8 on Bottom 4 "1V8_L04_P037" (solid, remove dead copper, pour order 37): 2260.94,402.5 2360.94,402.5 2365.94,397.5 2365.94,342.5 2320.94,342.5 2310.94,332.5 2310.94,270 2285.95,245 2230.94,245 2230.94,342.5 2250.94,362.5 2250.94,392.5
DVDD_1V3 on Bottom 4 "DVDD_1V3_L04_P084" (solid, remove dead copper, pour order 84): 926,347.5 971,347.5 976,342.5 976,177.5 971,172.5 926,172.5 895,203.5 895,316.5
3V3 on Bottom 4 "3V3_L04_P054" (solid, remove dead copper, pour order 54): 1800.94,945 1870.94,945 1880.94,935 1880.94,865 1870.94,855 1800.94,855
3V3 on Bottom 4 "3V3_L04_P038" (solid, remove dead copper, pour order 38): 2380.94,402.5 2515,402.5 2515,245 2440.95,245 2430.95,255 2430.94,345 2383.44,345 2375.94,352.5 2375.94,392.5
0V9 on Bottom 4 "0V9_L04_P036" (solid, remove dead copper, pour order 36): 2240.94,402.5 2150.94,402.5 2150.94,245 2220.94,245 2220.94,342.5 2240.94,362.5
no net on Bottom 4 "NONET_L04_P013" (solid, remove dead copper, pour order 13): 2304.31,646.29
NetL1_1 on Bottom 4 "NETL1_1_L04_P023" (solid, remove dead copper, pour order 23): 2265.94,487.5 2355.94,487.5 2365.94,477.5 2365.94,452.5 2255.94,452.5 2255.94,477.5
3V3 on PWR3 "3V3_L03_P096" (solid, remove dead copper, pour order 96): 2430,250 2440,240 2520,240 2520,1290 2420,1390 170,1390 105,1325 105,300 120,285 145,285 155,295 155,1230 220,1295 1080,1295 1110,1265 1110,1055 1130,1035 1200,1035 1275,960 1825,960 1840,945 1840,865 1860,845 1875,845 1890,860 1890,1030 1915,1055 2100,1055 2110,1045 2110,585 2130,565 2360,565 2430,495
0V9 on PWR3 "0V9_L03_P061" (solid, remove dead copper, pour order 61): 2218.56,245 1905,245 1845.94,304.06 1845.94,600 1545.94,900 1255.94,900 1223.57,867.63 1112.78,867.63 1055.11,925.29 1055.11,939.17 1165.94,1050 1195.94,1020 1240.94,1010 1250.94,975.95 1262.32,964.57 1626.38,964.57 1910.94,680 1910.94,360 2220.77,360
no net on PWR3 "NONET_L03_P064" (solid, remove dead copper, pour order 64): 2370.94,235
1V8 on PWR3 "1V8_L03_P059" (solid, remove dead copper, pour order 59): 2260.94,402.5 2360.94,402.5 2365.94,397.5 2365.94,342.5 2320.94,342.5 2310.95,332.5 2310.94,270 2285.95,245 2230.94,245 2230.94,342.5 2250.94,362.5 2250.94,392.5
GND on GND2 "GND_L02_P090" (solid, remove dead copper, pour order 90): 0,1450 2559.06,1450 2559.06,0 0,0
no net on GND2 "NONET_L02_P068" (solid, remove dead copper, pour order 68): 110.94,1405

## Keep-outs
Keep-Out Layer:
  lines w6: 0,0 2559.06,0 2559.06,1453.3 0,1453.3 0,0
  lines w10: 1920.94,446.25 1920.94,1003.75 2043.45,1003.75 2043.45,446.25 1920.94,446.25

## Other copper
TOP1:
  rectangle net VCC_BANK: 2321.34,279.21 2420.94,338.41
  rectangle net NetL1_1: 2332.05,633.34 2405.94,667.4
PWR3:
  rectangle net VCC_BANK: 2321.34,279.21 2420.94,338.41
Bottom 4:
  rectangle net VCC_BANK: 2321.34,279.21 2420.94,338.41
  rectangle net NetL1_1: 2332.05,633.34 2405.94,667.4

## Silkscreen, mask and mechanical layers (free items; w line width, h text height)
Top Overlay:
  drawing of 990 lines, arcs and shapes, not listed
  text "SD card" at 84,1379 h25
  text "Reset" at 1169,1289 h25
  text "Buzzer" at 1244,384 h25
  text "LCD" at 1889,376 h25 r270
  text "Camera" at 836,56 h25 r180
  text "enpeicv.com" at 1940,55.97 h118.11
Bottom Overlay:
  lines w6: 255,783.7 425,786.3 ; 338.7,870 341.3,700